# KiCad board amp board.kicad_pcb (continued)
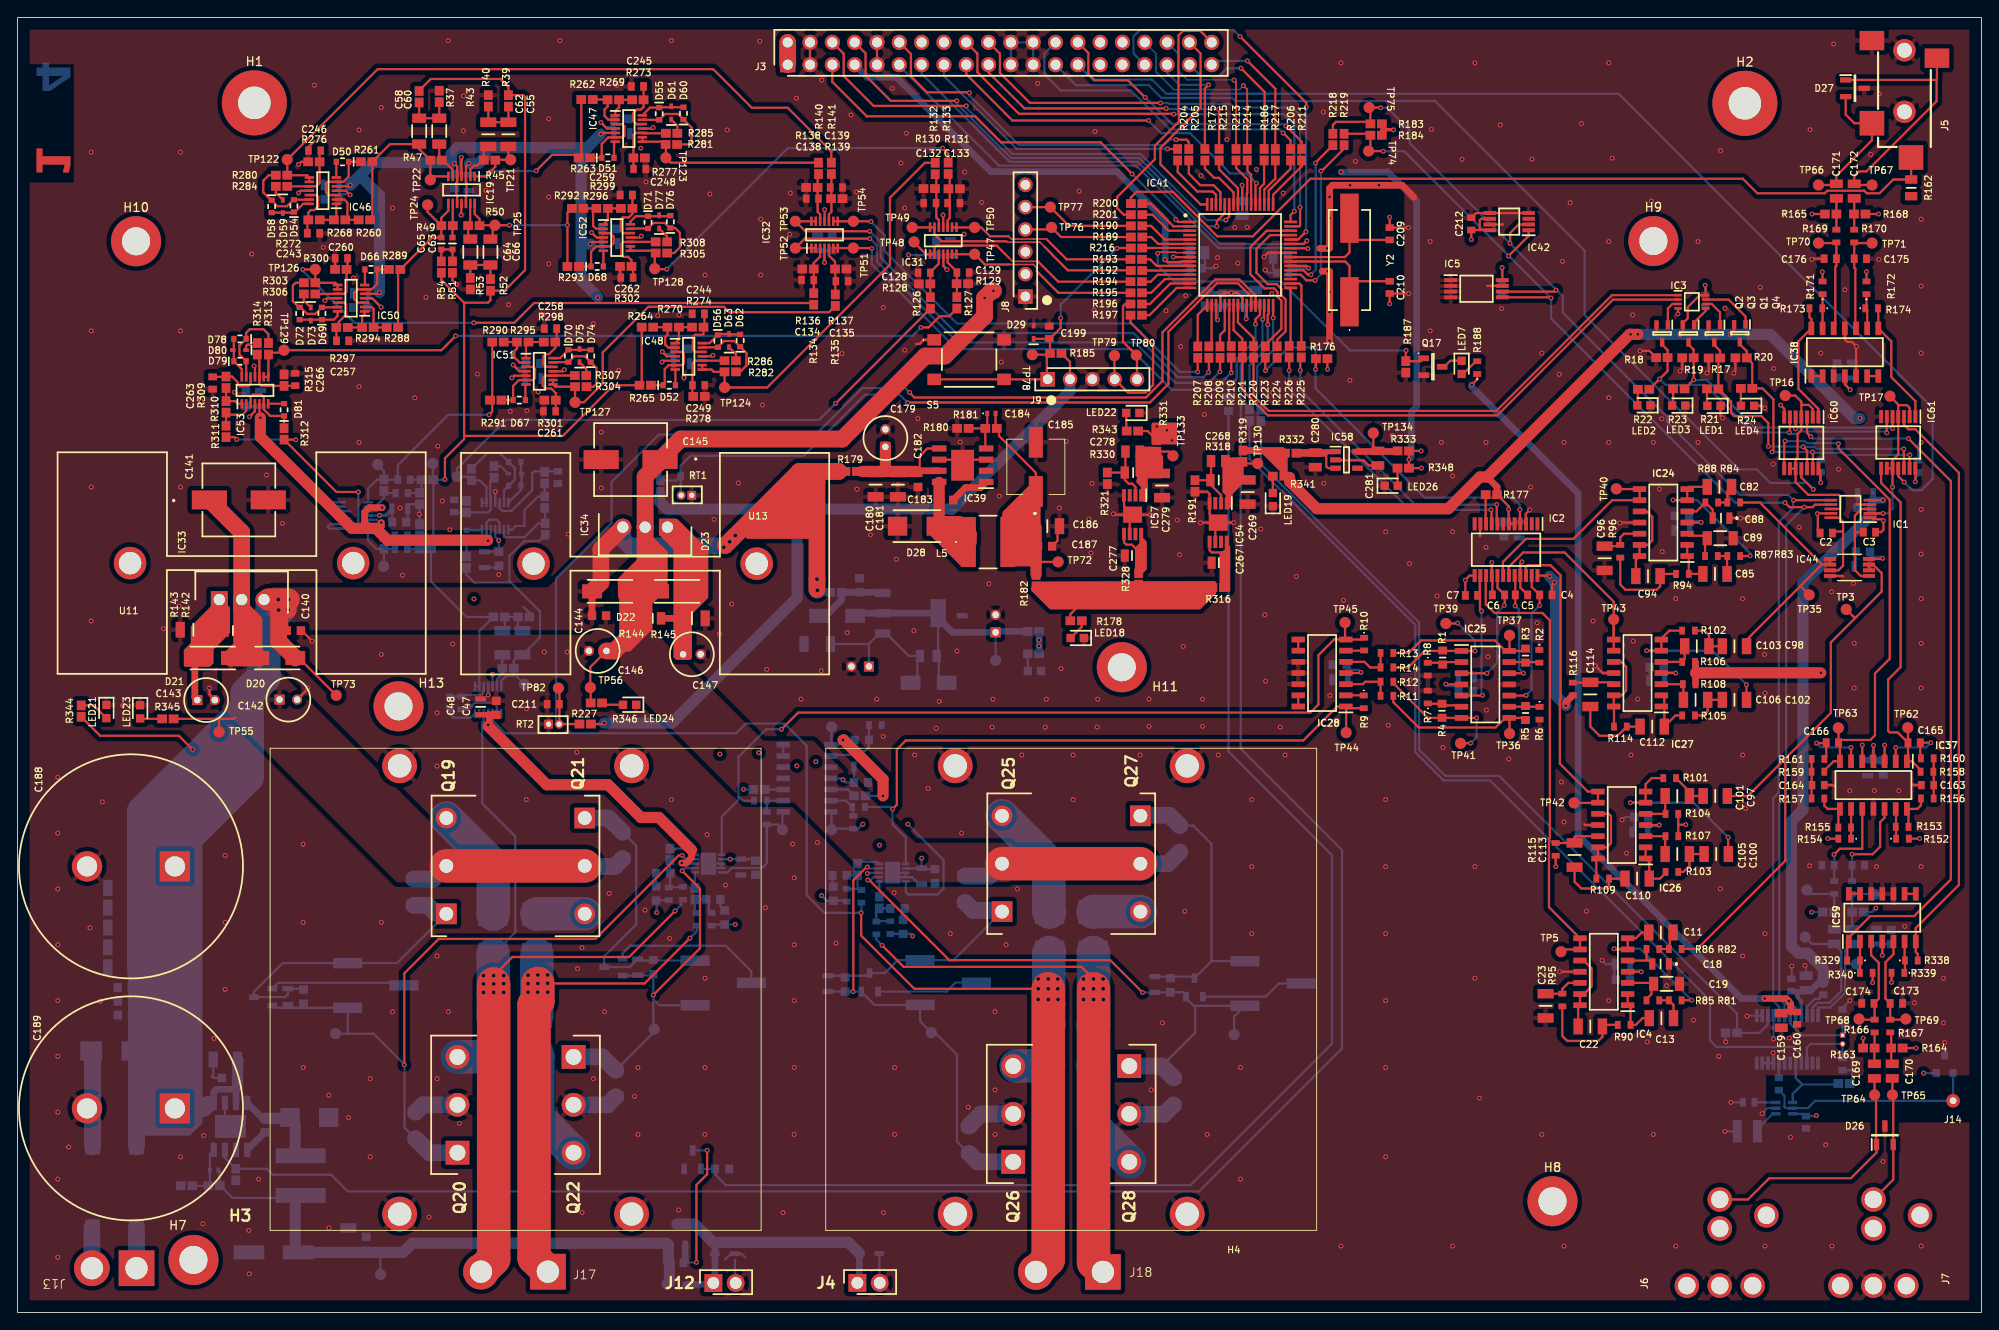
[diagram p0: board, top side]
## Library data of the parts (continued)
R34 = -: Datasheet: http://www.yageo.com/documents/recent/PYu-RC0603_51_RoHS_L_v5.pdf; Height: 0.55; Manufacturer_Name: KEMET; Manufacturer_Part_Number: RC0603FR-07316KL; Mouser Part Number: 603-RC0603FR-07316KL; Mouser Price/Stock: https://www.mouser.co.uk/ProductDetail/Yageo/RC0603FR-07316KL?qs=diQw95jMAePR7yj%2Fp%252BXkqg%3D%3D; Arrow Part Number: RC0603FR-07316KL; Arrow Price/Stock: https://www.arrow.com/en/products/rc0603fr-07316kl/yageo
R35 = -: Datasheet: https://componentsearchengine.com/Datasheets/2/RC0603FR-072KL.pdf; Height: 0.55; Manufacturer_Name: YAGEO; Manufacturer_Part_Number: RC0603FR-072KL; Mouser Part Number: 603-RC0603FR-072KL; Mouser Price/Stock: https://www.mouser.co.uk/ProductDetail/YAGEO/RC0603FR-072KL?qs=diQw95jMAePdEfSTIJQNsQ%3D%3D; Arrow Part Number: RC0603FR-072KL; Arrow Price/Stock: https://www.arrow.com/en/products/rc0603fr-072kl/yageo?region=nac
R36 R45 = -: Datasheet: http://www.yageo.com/documents/recent/PYu-RC0603_51_RoHS_L_v5.pdf; Height: 0.55; Manufacturer_Name: KEMET; Manufacturer_Part_Number: RC0603FR-07160KL; Mouser Part Number: 603-RC0603FR-07160KL; Mouser Price/Stock: https://www.mouser.co.uk/ProductDetail/Yageo/RC0603FR-07160KL?qs=IuGqVx9wL0LI50R5F3KcYw%3D%3D
R37 R49 = -: Datasheet: http://www.yageo.com/documents/recent/PYu-RC0603_51_RoHS_L_v5.pdf; Height: 0.55; Manufacturer_Name: KEMET; Manufacturer_Part_Number: RC0603FR-07102KL; Mouser Part Number: 603-RC0603FR-07102KL; Mouser Price/Stock: https://www.mouser.co.uk/ProductDetail/Yageo/RC0603FR-07102KL?qs=fAXH3HJr0M2oEXLHAIlP7g%3D%3D; Arrow Part Number: RC0603FR-07102KL; Arrow Price/Stock: https://www.arrow.com/en/products/rc0603fr-07102kl/yageo
R38 R52 R146 = -: Datasheet: https://www.yageo.com/upload/media/product/productsearch/datasheet/rchip/PYu-RC_Group_51_RoHS_L_12.pdf; Height: 0.55; Manufacturer_Name: YAGEO; Manufacturer_Part_Number: RC0603FR-07100KL; Mouser Part Number: 603-RC0603FR-07100KL; Mouser Price/Stock: https://www.mouser.co.uk/ProductDetail/YAGEO/RC0603FR-07100KL?qs=e1ok2LiJcmaihem8Va5%2Fsw%3D%3D; Arrow Part Number: RC0603FR-07100KL; Arrow Price/Stock: https://www.arrow.com/en/products/rc0603fr-07100kl/yageo?region=nac
R39 = -: Datasheet: http://www.yageo.com/documents/recent/PYu-RC0603_51_RoHS_L_v5.pdf; Height: 0.55; Manufacturer_Name: KEMET; Manufacturer_Part_Number: RC0603FR-0778K7L; Mouser Part Number: 603-RC0603FR-0778K7L; Mouser Price/Stock: https://www.mouser.com/Search/Refine.aspx?Keyword=603-RC0603FR-0778K7L; Arrow Part Number: RC0603FR-0778K7L; Arrow Price/Stock: https://www.arrow.com/en/products/rc0603fr-0778k7l/yageo
R40 = -: Datasheet: http://www.yageo.com/documents/recent/PYu-RC0603_51_RoHS_L_v5.pdf; Height: 0.55; Manufacturer_Name: KEMET; Manufacturer_Part_Number: RC0603FR-07634RL; Mouser Part Number: 603-RC0603FR-07634RL; Mouser Price/Stock: https://www.mouser.co.uk/ProductDetail/Yageo/RC0603FR-07634RL?qs=2cAdsCoAWREDy1cQlSQJXA%3D%3D
R41 R48 R50 = -: Datasheet: http://www.yageo.com/documents/recent/PYu-RC0603_51_RoHS_L_v5.pdf; Height: 0.55; Manufacturer_Name: KEMET; Manufacturer_Part_Number: RC0603FR-07200KL; Mouser Part Number: 603-RC0603FR-07200KL; Mouser Price/Stock: https://www.mouser.co.uk/ProductDetail/Yageo/RC0603FR-07200KL/?qs=VU8sRB4EgwCnxDNVmDU8zQ%3D%3D; Arrow Part Number: RC0603FR-07200KL; Arrow Price/Stock: https://www.arrow.com/en/products/rc0603fr-07200kl/yageo
R42 = -: Datasheet: http://www.yageo.com/documents/recent/PYu-RC0603_51_RoHS_L_v5.pdf; Height: 0.55; Manufacturer_Name: KEMET; Manufacturer_Part_Number: RC0603FR-07976RL; Mouser Part Number: 603-RC0603FR-07976RL; Mouser Price/Stock: https://www.mouser.co.uk/ProductDetail/YAGEO/RC0603FR-07976RL?qs=2cAdsCoAWRFH11EcDUWKRg%3D%3D; Arrow Part Number: RC0603FR-07976RL; Arrow Price/Stock: https://www.arrow.com/en/products/rc0603fr-07976rl/yageo
R43 = -: Datasheet: http://www.yageo.com/documents/recent/PYu-RC0603_51_RoHS_L_v5.pdf; Height: 0.55; Manufacturer_Name: KEMET; Manufacturer_Part_Number: RC0603FR-07511RL; Mouser Part Number: 603-RC0603FR-07511RL; Mouser Price/Stock: https://www.mouser.com/Search/Refine.aspx?Keyword=603-RC0603FR-07511RL
R44 R53 = -: Datasheet: http://www.yageo.com/documents/recent/PYu-RC0603_51_RoHS_L_v5.pdf; Height: 0.55; Manufacturer_Name: KEMET; Manufacturer_Part_Number: RC0603FR-07499RL; Mouser Part Number: 603-RC0603FR-07499RL; Mouser Price/Stock: https://www.mouser.co.uk/ProductDetail/YAGEO/RC0603FR-07499RL?qs=LKcSmNrnyY5DnGKoN1FFYQ%3D%3D; Arrow Part Number: RC0603FR-07499RL; Arrow Price/Stock: https://www.arrow.com/en/products/rc0603fr-07499rl/yageo?region=europe
R46 = -: Datasheet: https://www.yageo.com/upload/media/product/productsearch/datasheet/rchip/PYu-RC_Group_51_RoHS_L_12.pdf; Height: 0.55; Manufacturer_Name: YAGEO; Manufacturer_Part_Number: RC0603FR-0795K3L; Mouser Part Number: 603-RC0603FR-0795K3L; Mouser Price/Stock: https://www.mouser.co.uk/ProductDetail/YAGEO/RC0603FR-0795K3L?qs=2cAdsCoAWRG6I5c6inbrfQ%3D%3D
R47 = -: Datasheet: http://www.yageo.com/documents/recent/PYu-RC0603_51_RoHS_L_v5.pdf; Height: 0.55; Manufacturer_Name: KEMET; Manufacturer_Part_Number: RC0603FR-07205KL; Mouser Part Number: 603-RC0603FR-07205KL; Mouser Price/Stock: https://www.mouser.com/Search/Refine.aspx?Keyword=603-RC0603FR-07205KL; Arrow Part Number: RC0603FR-07205KL; Arrow Price/Stock: https://www.arrow.com/en/products/rc0603fr-07205kl/yageo
R51 R128-R131 R136-R139 = -: Datasheet: https://www.yageo.com/upload/media/product/productsearch/datasheet/rchip/PYu-RC_Group_51_RoHS_L_12.pdf; Height: 0.55; Manufacturer_Name: YAGEO; Manufacturer_Part_Number: RC0603FR-071KL; Mouser Part Number: 603-RC0603FR-071KL; Mouser Price/Stock: https://www.mouser.co.uk/ProductDetail/YAGEO/RC0603FR-071KL?qs=VU8sRB4EgwApHsk4rF%2F3zg%3D%3D; Arrow Part Number: RC0603FR-071KL; Arrow Price/Stock: https://www.arrow.com/en/products/rc0603fr-071kl/yageo?region=europe
R54 = -: Datasheet: http://www.yageo.com/documents/recent/PYu-RC0603_51_RoHS_L_v5.pdf; Height: 0.55; Manufacturer_Name: KEMET; Manufacturer_Part_Number: RC0603FR-07130KL; Mouser Part Number: 603-RC0603FR-07130KL; Mouser Price/Stock: https://www.mouser.com/Search/ProductDetail.aspx?qs=bK2T7AVO1ycLMsGMEjuXXw%3d%3d
R57 R175 R186 R189 R190 R206 R211 R217-R219 R223-R226 = -: Datasheet: http://www.yageo.com/documents/recent/PYu-RC0603_51_RoHS_L_v5.pdf; Height: 0.55; Manufacturer_Name: KEMET; Manufacturer_Part_Number: RC0603FR-0747RL; Mouser Part Number: 603-RC0603FR-0747RL; Mouser Price/Stock: https://www.mouser.co.uk/ProductDetail/Yageo/RC0603FR-0747RL?qs=gt6vzsuosg01atWshW8qCA%3D%3D; Arrow Part Number: RC0603FR-0747RL; Arrow Price/Stock: http://www.arrow.com/en/products/rc0603fr-0747rl/yageo
R81 R83 = -: Datasheet: https://industrial.panasonic.com/cdbs/www-data/pdf/RDM0000/AOA0000C307.pdf; Description: Metal Film (Thin Film) Chip Resistor 0603 3651; Height: 0.55; Manufacturer_Name: Panasonic; Manufacturer_Part_Number: ERA-3AEB3651V; Mouser Part Number: 667-ERA-3AEB3651V; Mouser Price/Stock: https://www.mouser.com/Search/Refine.aspx?Keyword=667-ERA-3AEB3651V; Arrow Part Number: ERA-3AEB3651V; Arrow Price/Stock: https://www.arrow.com/en/products/era-3aeb3651v/panasonic?utm_currency=USD&region=nac
R82 R84 = -: Datasheet: https://industrial.panasonic.com/cdbs/www-data/pdf/RDM0000/AOA0000C307.pdf; Description: Thin Film Resistors - SMD 0603 5.36Kohm 0.1% 25ppm; Height: 0.55; Manufacturer_Name: Panasonic; Manufacturer_Part_Number: ERA-3AEB5361V; Mouser Part Number: 667-ERA-3AEB5361V; Mouser Price/Stock: https://www.mouser.com/Search/Refine.aspx?Keyword=667-ERA-3AEB5361V; Arrow Part Number: ERA-3AEB5361V; Arrow Price/Stock: https://www.arrow.com/en/products/era-3aeb5361v/panasonic
R85 R87 = -: Datasheet: https://industrial.panasonic.com/cdbs/www-data/pdf/RDM0000/AOA0000C307.pdf; Description: Metal Film (Thin Film) Chip Resistor 0603 6341; Height: 0.55; Manufacturer_Name: Panasonic; Manufacturer_Part_Number: ERA-3AEB6341V; Mouser Part Number: 667-ERA-3AEB6341V; Mouser Price/Stock: https://www.mouser.co.uk/ProductDetail/Panasonic/ERA-3AEB6341V?qs=nuXzIS8loXH9hbg1c1SYUQ%3D%3D; Arrow Part Number: ERA-3AEB6341V; Arrow Price/Stock: https://www.arrow.com/en/products/era-3aeb6341v/panasonic?utm_currency=USD&region=nac
R86 R88 = -: Datasheet: https://industrial.panasonic.com/cdbs/www-data/pdf/RDM0000/AOA0000C307.pdf; Description: Thin Film Resistors - SMD 0603 9.53Kohm 0.1% 25ppm; Height: 0.55; Manufacturer_Name: Panasonic; Manufacturer_Part_Number: ERA-3AEB9531V; Mouser Part Number: 667-ERA-3AEB9531V; Mouser Price/Stock: https://www.mouser.co.uk/ProductDetail/Panasonic/ERA-3AEB9531V?qs=nuXzIS8loXHz%2FxTZIYKo7w%3D%3D; Arrow Part Number: ERA-3AEB9531V; Arrow Price/Stock: https://www.arrow.com/en/products/era-3aeb9531v/panasonic
R90 R94 = -: Datasheet: https://industrial.panasonic.com/cdbs/www-data/pdf/RDM0000/AOA0000C307.pdf; Description: Metal Film (Thin Film) Chip Resistor 0603 2941; Height: 0.55; Manufacturer_Name: Panasonic; Manufacturer_Part_Number: ERA-3AEB2941V
R95 R96 R115 R116 = -: Datasheet: https://industrial.panasonic.com/cdbs/www-data/pdf/RDM0000/AOA0000C307.pdf; Description: Thin Film Resistors - SMD 0603 6.49Kohm 0.1% 25ppm; Height: 0.55; Manufacturer_Name: Panasonic; Manufacturer_Part_Number: ERA-3AEB6491V; Mouser Part Number: 667-ERA-3AEB6491V; Mouser Price/Stock: https://www.mouser.co.uk/ProductDetail/Panasonic/ERA-3AEB6491V?qs=nuXzIS8loXFxZ26VDEo1yw%3D%3D; Arrow Part Number: ERA-3AEB6491V; Arrow Price/Stock: https://www.arrow.com/en/products/era-3aeb6491v/panasonic?region=nac
R101 R102 = -: Datasheet: https://industrial.panasonic.com/cdbs/www-data/pdf/RDM0000/AOA0000C307.pdf; Description: Metal Film (Thin Film) Chip Resistor 0603 3741; Height: 0.55; Manufacturer_Name: Panasonic; Manufacturer_Part_Number: ERA-3AEB3741V; Mouser Part Number: 667-ERA-3AEB3741V; Mouser Price/Stock: https://www.mouser.co.uk/ProductDetail/Panasonic/ERA-3AEB3741V?qs=nuXzIS8loXFRw1spMKYpzg%3D%3D
R103 R105 = -: Datasheet: https://industrial.panasonic.com/cdbs/www-data/pdf/RDM0000/AOA0000C307.pdf; Description: Metal Film (Thin Film) Chip Resistor 0603 5491; Height: 0.55; Manufacturer_Name: Panasonic; Manufacturer_Part_Number: ERA-3AEB5491V
R104 R106 = -: Datasheet: https://industrial.panasonic.com/cdbs/www-data/pdf/RDM0000/AOA0000C307.pdf; Description: Thin Film Resistors - SMD 0603 15.4Kohm 0.1% 25ppm; Height: 0.55; Manufacturer_Name: Panasonic; Manufacturer_Part_Number: ERA-3AEB1542V; Mouser Part Number: 667-ERA-3AEB1542V; Mouser Price/Stock: https://www.mouser.co.uk/ProductDetail/Panasonic/ERA-3AEB1542V?qs=nuXzIS8loXFj8PI%252BHBppHg%3D%3D; Arrow Part Number: ERA-3AEB1542V; Arrow Price/Stock: https://www.arrow.com/en/products/era-3aeb1542v/panasonic
R107 R108 = -: Datasheet: https://industrial.panasonic.com/cdbs/www-data/pdf/RDM0000/AOA0000C307.pdf; Description: Thin Film Resistors - SMD 0603 8.25Kohm 0.1% 25ppm; Height: 0.55; Manufacturer_Name: Panasonic; Manufacturer_Part_Number: ERA-3AEB8251V; Mouser Part Number: 667-ERA-3AEB8251V; Mouser Price/Stock: https://www.mouser.com/Search/Refine.aspx?Keyword=667-ERA-3AEB8251V
R109 R114 = -: Datasheet: https://industrial.panasonic.com/cdbs/www-data/pdf/RDM0000/AOA0000C307.pdf; Description: Metal Thin Film Chip Resistor, 0603, 0.1W; Height: 0.55; Manufacturer_Name: Panasonic; Manufacturer_Part_Number: ERA-3AEB622V; Mouser Part Number: 667-ERA-3AEB622V; Mouser Price/Stock: https://www.mouser.co.uk/ProductDetail/Panasonic/ERA-3AEB622V?qs=m8myXnDJXpUDpCLrz5jrOQ%3D%3D; Arrow Part Number: ERA-3AEB622V; Arrow Price/Stock: https://www.arrow.com/en/products/era3aeb622v/panasonic?region=nac
R119 = -: Datasheet: https://www.mouser.com/datasheet/2/447/PYu-RC_Group_51_RoHS_L_9-1314892.pdf; Height: 0.55; Manufacturer_Name: YAGEO; Manufacturer_Part_Number: RC0603FR-071K1L; Mouser Part Number: 603-RC0603FR-071K1L; Mouser Price/Stock: https://www.mouser.co.uk/ProductDetail/YAGEO/RC0603FR-071K1L?qs=qOORb529CA13A6%252BuNPCZDQ%3D%3D
R120 R181 = -: Datasheet: http://www.yageo.com/documents/recent/PYu-RC0603_51_RoHS_L_v5.pdf; Height: 0.55; Manufacturer_Name: KEMET; Manufacturer_Part_Number: RC0603FR-079K53L; Mouser Part Number: 603-RC0603FR-079K53L; Mouser Price/Stock: https://www.mouser.co.uk/ProductDetail/Yageo/RC0603FR-079K53L?qs=2cAdsCoAWREFD9FeX3CIhg%3D%3D; Arrow Part Number: RC0603FR-079K53L; Arrow Price/Stock: https://www.arrow.com/en/products/rc0603fr-079k53l/yageo
R123 R124 R192-R197 R200 R201 R204 R205 R207-R210 R213-R216 R220 R221 R334-R337 = -: Datasheet: https://componentsearchengine.com/Datasheets/2/RC0603JR-070RL.pdf; Height: 0.55; Manufacturer_Name: YAGEO; Manufacturer_Part_Number: RC0603JR-070RL; Mouser Part Number: 603-RC0603JR-070RL; Mouser Price/Stock: https://www.mouser.co.uk/ProductDetail/YAGEO/RC0603JR-070RL?qs=2cAdsCoAWRGWyPcuXgGiXQ%3D%3D; Arrow Part Number: RC0603JR-070RL; Arrow Price/Stock: https://www.arrow.com/en/products/rc0603jr-070rl/yageo?utm_currency=USD&region=nac
R126 R127 R132-R135 R140 R141 = -: Datasheet: http://www.yageo.com/documents/recent/PYu-RC0603_51_RoHS_L_v5.pdf; Height: 0.55; Manufacturer_Name: KEMET; Manufacturer_Part_Number: RC0603FR-078K06L; Mouser Part Number: 603-RC0603FR-078K06L; Mouser Price/Stock: https://www.mouser.co.uk/ProductDetail/Yageo/RC0603FR-078K06L?qs=2cAdsCoAWREXE%2FuVdbo5eQ%3D%3D; Arrow Part Number: RC0603FR-078K06L; Arrow Price/Stock: https://www.arrow.com/en/products/rc0603fr-078k06l/yageo
R142 R144 R325 = -: Datasheet: http://www.yageo.com/documents/recent/PYu-RC_Group_51_RoHS_L_10.pdf; Height: 0.6; Manufacturer_Name: KEMET; Manufacturer_Part_Number: RC0805FR-07240RL; Mouser Part Number: 603-RC0805FR-07240RL; Mouser Price/Stock: https://www.mouser.com/Search/Refine.aspx?Keyword=603-RC0805FR-07240RL
R143 R145 R326 = -: Datasheet: http://www.vishay.com/docs/20035/dcrcwe3.pdf; Height: 0.6; Manufacturer_Name: Vishay; Manufacturer_Part_Number: CRCW12065K10FKEA; Mouser Part Number: 71-CRCW1206-5.1K-E3; Mouser Price/Stock: https://www.mouser.co.uk/ProductDetail/Vishay-Dale/CRCW12065K10FKEA?qs=%2F2dL3%2Fmkwc4UsDubBvFZrA%3D%3D; Arrow Part Number: CRCW12065K10FKEA; Arrow Price/Stock: https://www.arrow.com/en/products/crcw12065k10fkea/vishay?region=nac
R148 R149 R163-R165 R168 = -: Datasheet: https://componentsearchengine.com/Datasheets/1/RT0603FRD071ML.pdf; Description: Thin Film Resistors - SMD 1M ohm 1% 25 ppm High-Precision; Height: 0.55; Manufacturer_Name: KEMET; Manufacturer_Part_Number: RT0603FRD071ML; Mouser Part Number: 603-RT0603FRD071ML; Mouser Price/Stock: https://www.mouser.co.uk/ProductDetail/Yageo/RT0603FRD071ML/?qs=TyBUSTk9pD%252Bwn0iyfLuUUw%3D%3D
R152 R154 R171-R174 R188 R329 R338-R340 = -: Datasheet: https://industrial.panasonic.com/cdbs/www-data/pdf/RDM0000/AOA0000C307.pdf; Height: 0.55; Manufacturer_Name: Panasonic; Manufacturer_Part_Number: ERA-3AEB202V; Mouser Part Number: 667-ERA-3AEB202V; Mouser Price/Stock: https://www.mouser.co.uk/ProductDetail/Panasonic/ERA-3AEB202V?qs=XhO1W%252B5LdJ9D9%2Fzvy31Isg%3D%3D
R153 R155 = -: Datasheet: https://industrial.panasonic.com/cdbs/www-data/pdf/RDM0000/AOA0000C307.pdf; Description: Thin Film Resistors - SMD 0603 34.8Kohm 0.1% 25ppm; Height: 0.55; Manufacturer_Name: Panasonic; Manufacturer_Part_Number: ERA-3AEB3482V; Mouser Part Number: 667-ERA-3AEB3482V; Mouser Price/Stock: https://www.mouser.com/Search/Refine.aspx?Keyword=667-ERA-3AEB3482V
R156-R159 = -: Datasheet: https://industrial.panasonic.com/cdbs/www-data/pdf/RDM0000/AOA0000C307.pdf; Description: Thin Film Resistors - SMD 0603 2.32Kohm 0.1% 25ppm; Height: 0.55; Manufacturer_Name: Panasonic; Manufacturer_Part_Number: ERA-3AEB2321V; Mouser Part Number: 667-ERA-3AEB2321V; Mouser Price/Stock: http://www.mouser.com/Search/ProductDetail.aspx?qs=nuXzIS8loXHi3P3EqG%2f%2fKg%3d%3d
R160 R161 = -: Datasheet: https://industrial.panasonic.com/cdbs/www-data/pdf/RDM0000/AOA0000C307.pdf; Description: Metal Film (Thin Film) Chip Resistor 0603 1181; Height: 0.55; Manufacturer_Name: Panasonic; Manufacturer_Part_Number: ERA-3AEB1181V; Mouser Part Number: 667-ERA-3AEB1181V; Mouser Price/Stock: https://www.mouser.com/Search/Refine.aspx?Keyword=667-ERA-3AEB1181V
R162 = -: Datasheet: https://4donline.ihs.com/images/VipMasterIC/IC/YAGO/YAGO-S-A0010774850/YAGO-S-A0010774850-1.pdf?hkey=6D3A4C79FDBF58556ACFDE234799DDF0; Height: 0.6; Manufacturer_Name: YAGEO; Manufacturer_Part_Number: RC0805FR-07100KL; Mouser Part Number: 603-RC0805FR-07100KL; Mouser Price/Stock: https://www.mouser.co.uk/ProductDetail/YAGEO/RC0805FR-07100KL?qs=8Y8p%252BasKcI7rEWn6FcVdAA%3D%3D; Arrow Part Number: RC0805FR-07100KL; Arrow Price/Stock: https://www.arrow.com/en/products/rc0805fr-07100kl/yageo?region=europe
R176 R177 R183 R184 R261 R263 R265 R267 R289 R291 R293 R312 = -: Datasheet: http://www.yageo.com/documents/recent/PYu-RC0603_51_RoHS_L_v5.pdf; Height: 0.55; Manufacturer_Name: KEMET; Manufacturer_Part_Number: RC0603FR-075K1L; Mouser Part Number: 603-RC0603FR-075K1L; Mouser Price/Stock: https://www.mouser.co.uk/ProductDetail/YAGEO/RC0603FR-075K1L?qs=gt6vzsuosg2jUUwxnI2PJQ%3D%3D; Arrow Part Number: RC0603FR-075K1L; Arrow Price/Stock: https://www.arrow.com/en/products/rc0603fr-075k1l/yageo?region=nac
R179 R182 R316 R319 R324 R327 R328 R331-R333 = -: Datasheet: https://componentsearchengine.com/Datasheets/2/RC0603JR-070RL.pdf; Description: Yageo 0, 0603 (1608M) Thick Film SMD Resistor - RC0603JR-070RL; Height: 0.55; Manufacturer_Name: YAGEO; Manufacturer_Part_Number: RC0603JR-070RL; Mouser Part Number: 603-RC0603JR-070RL; Mouser Price/Stock: https://www.mouser.co.uk/ProductDetail/YAGEO/RC0603JR-070RL?qs=2cAdsCoAWRGWyPcuXgGiXQ%3D%3D; Arrow Part Number: RC0603JR-070RL; Arrow Price/Stock: https://www.arrow.com/en/products/rc0603jr-070rl/yageo?utm_currency=USD&region=nac
R180 = -: Datasheet: http://www.yageo.com/documents/recent/PYu-RC0603_51_RoHS_L_v5.pdf; Height: 0.55; Manufacturer_Name: KEMET; Manufacturer_Part_Number: RC0603FR-071K69L; Mouser Part Number: 603-RC0603FR-071K69L; Mouser Price/Stock: http://www.mouser.com/Search/ProductDetail.aspx?qs=VU8sRB4EgwCRCEnumkExQg%3d%3d; Arrow Part Number: RC0603FR-071K69L; Arrow Price/Stock: https://www.arrow.com/en/products/rc0603fr-071k69l/yageo
R191 = -: Datasheet: http://www.yageo.com/documents/recent/PYu-RC0603_51_RoHS_L_v5.pdf; Description: RESISTOR, 0603 18.7K Ohms +/-1% 1/10 W; Height: 0.55; Manufacturer_Name: KEMET; Manufacturer_Part_Number: RC0603FR-0718K7L; Mouser Part Number: 603-RC0603FR-0718K7L; Mouser Price/Stock: https://www.mouser.co.uk/ProductDetail/Yageo/RC0603FR-0718K7L/?qs=VU8sRB4EgwDmm%2FENkzwNRg%3D%3D
R228 R233 = -: Datasheet: https://componentsearchengine.com/Datasheets/1/RT0603FRE075K1L.pdf; Height: 0.55; Manufacturer_Name: KEMET; Manufacturer_Part_Number: RT0603FRE075K1L; Mouser Part Number: 603-RT0603FRE075K1L; Mouser Price/Stock: https://www.mouser.co.uk/ProductDetail/Yageo/RT0603FRE075K1L?qs=%2Ff7pOCXLR5fgj2e0mAPqWQ%3D%3D
R234 R235 R242 R243 R248 R249 R254 R255 = -: Datasheet: https://industrial.panasonic.com/cdbs/www-data/pdf/RDM0000/AOA0000C307.pdf; Height: 0.7; Manufacturer_Name: Panasonic; Manufacturer_Part_Number: ERA-8APB2101V
R238-R241 R250-R253 = -: Datasheet: https://www.te.com/commerce/DocumentDelivery/DDEController?Action=showdoc&DocId=Customer+Drawing%7F2176058%7FBA%7Fpdf%7FEnglish%7FENG_CD_2176058_BA.pdf%7F3-2176058-3; Height: 0.84; Manufacturer_Name: TE Connectivity; Manufacturer_Part_Number: RLP73K3AR22JTE; Arrow Part Number: RLP73K3AR22JTE; Arrow Price/Stock: https://www.arrow.com/en/products/rlp73k3ar22jte/te-connectivity
R276-R279 R300-R302 R315 = -: Datasheet: http://www.yageo.com/documents/recent/PYu-RC0603_51_RoHS_L_v5.pdf; Height: 0.55; Manufacturer_Name: KEMET; Manufacturer_Part_Number: RC0603FR-071ML; Mouser Part Number: 603-RC0603FR-071ML; Mouser Price/Stock: https://www.mouser.co.uk/ProductDetail/YAGEO/RC0603FR-071ML?qs=VU8sRB4EgwDPceeQKB324w%3D%3D; Arrow Part Number: RC0603FR-071ML; Arrow Price/Stock: https://www.arrow.com/en/products/rc0603fr-071ml/yageo?region=europe
R284-R287 R306-R308 R314 = -: Datasheet: https://www.arrow.com/en/products/rc0603fr-07100rl/yageo?region=nac; Height: 0.55; Manufacturer_Name: YAGEO; Manufacturer_Part_Number: RC0603FR-07100RL; Mouser Part Number: 603-RC0603FR-07100RL; Mouser Price/Stock: https://www.mouser.co.uk/ProductDetail/YAGEO/RC0603FR-07100RL?qs=NEN%2FsE%2FLsvPIwIWKCOS4%2FA%3D%3D; Arrow Part Number: RC0603FR-07100RL; Arrow Price/Stock: https://www.arrow.com/en/products/rc0603fr-07100rl/yageo?region=nac
R318 R330 = -: Datasheet: http://www.yageo.com/documents/recent/PYu-RC_Group_51_RoHS_L_10.pdf; Height: 0.6; Manufacturer_Name: KEMET; Manufacturer_Part_Number: RC0805FR-07270KL; Mouser Part Number: 603-RC0805FR-07270KL; Mouser Price/Stock: https://www.mouser.co.uk/ProductDetail/YAGEO/RC0805FR-07270KL?qs=fRxXYNj8ftHTOCejWiG5jQ%3D%3D
R321 R344-R347 = -: Datasheet: http://www.yageo.com/documents/recent/PYu-RC0603_51_RoHS_L_v5.pdf; Description: Thick Film Resistors 32.4K OHM 1%; Height: 0.55; Manufacturer_Name: KEMET; Manufacturer_Part_Number: RC0603FR-0732K4L; Mouser Part Number: 603-RC0603FR-0732K4L; Mouser Price/Stock: https://www.mouser.com/Search/Refine.aspx?Keyword=603-RC0603FR-0732K4L
R343 R348 = -: Datasheet: https://www.yageo.com/upload/media/product/productsearch/datasheet/rchip/PYu-RC_Group_51_RoHS_L_12.pdf; Description: Res Thick Film 0603 1K Ohm 1% 0.1W(1/10W) +/-100ppm/C Epoxy Pad SMD T/R; Height: 0.55; Manufacturer_Name: YAGEO; Manufacturer_Part_Number: RC0603FR-071KL; Mouser Part Number: 603-RC0603FR-071KL; Mouser Price/Stock: https://www.mouser.co.uk/ProductDetail/YAGEO/RC0603FR-071KL?qs=VU8sRB4EgwApHsk4rF%2F3zg%3D%3D; Arrow Part Number: RC0603FR-071KL; Arrow Price/Stock: https://www.arrow.com/en/products/rc0603fr-071kl/yageo?region=europe
RT1 RT2 = -: Datasheet: https://www.vishay.com/docs/29094/ntcalug02a.pdf; Height: 4.5; Manufacturer_Name: Vishay; Mouser Part Number: 594-NTCALUG02A103G; Mouser Price/Stock: https://www.mouser.com/Search/Refine.aspx?Keyword=594-NTCALUG02A103G; Arrow Price/Stock: https://www.arrow.com/en/products/ntcalug02a103g/vishay
S5 = -: Datasheet: https://www.ctscorp.com/wp-content/uploads/222A.pdf; Height: 5.2; Manufacturer_Name: CTS; Mouser Part Number: 774-222AMVBAR; Mouser Price/Stock: https://www.mouser.co.uk/ProductDetail/CTS-Electronic-Components/222AMVBAR?qs=%252BiOMRfgENTH99oc01%252BgePw%3D%3D; Arrow Price/Stock: https://www.arrow.com/en/products/222amvbar/cts
U11 U13 = -: Datasheet: https://datasheet.datasheetarchive.com/originals/distributors/Datasheets-DGA11/2294712.pdf; Description: AAVID THERMALLOY - 530002B02500G - HEAT SINK, 2.6K/W, TO-220; Manufacturer_Name: Aavid Thermalloy; Mouser Part Number: 532-530002B02500G; Mouser Price/Stock: https://www.mouser.co.uk/ProductDetail/Aavid/530002B02500G?qs=U7T%2FEnMyvTvnsUSILY5qjg%3D%3D; Arrow Price/Stock: https://www.arrow.com/en/products/530002b02500g/aavid-thermalloy
U14 U15 = -: Datasheet: http://www.ti.com/lit/gpn/opa1622; Height: 1; Manufacturer_Name: Texas Instruments; Mouser Part Number: 595-OPA1622IDRCR; Mouser Price/Stock: https://www.mouser.co.uk/ProductDetail/Texas-Instruments/OPA1622IDRCR?qs=8%2FmU9qzJpL8wd%252BNGqblyNw%3D%3D; Arrow Price/Stock: null?region=nac
VR3-VR6 = -: Datasheet: https://componentsearchengine.com/Datasheets/1/3361P-1-202GLF.pdf; Description: Res Cermet Trimmer 2K Ohm 10% 0.5W(1/2W) 1(Elec)/1(Mech)Turns 2.77mm (6.71 X 8.53 X 5.21mm) Gull Wing SMD T/R; Height: 5.21; Manufacturer_Name: Bourns; Mouser Part Number: 652-3361P-1-202GLF; Mouser Price/Stock: https://www.mouser.co.uk/ProductDetail/Bourns/3361P-1-202GLF?qs=fqIB%2FsSTfTYJe%2Fe5FOkYjw%3D%3D; Arrow Price/Stock: https://www.arrow.com/en/products/3361p-1-202glf/bourns?region=nac
Y1 = -: Datasheet: https://raltron.com/webproducts/specs/CRYSTAL/R26-32.768-12.5.pdf; Height: 6.2; Manufacturer_Name: RALTRON; Arrow Price/Stock: https://www.arrow.com/en/products/r26-32.768-12.5/raltron-electronics
Y2 = -: Datasheet: https://abracon.com/Resonators/abls.pdf; Description: HC/49US (AT49) LOW PROFILE SURFACE MOUNT MICROPROCESSOR CRYSTAL; Manufacturer_Name: ABRACON; Mouser Part Number: 815-ABLS2-32-D4YF-T; Mouser Price/Stock: https://www.mouser.com/Search/Refine.aspx?Keyword=815-ABLS2-32-D4YF-T; Arrow Price/Stock: https://www.arrow.com/en/products/abls2-32.000mhz-d4yf-t/abracon

## Footprints (pads in the part's own frame, mm; a bottom-side part is the same pattern mirrored in y, then rotated)
1N4148WT7
  rect 0.6x0.7 smd: 1(-0.7,0) 2(0.7,0)
222AMVBAR
  rect 1.55x1.3 smd: 1(-3.975,2.25) 2(-3.975,-2.25) 3(3.975,2.25) 4(3.975,-2.25)
3361P1202GLF
  rect 1.19x3.3 smd: 1(-2.54,-3.2) 2(0,3.2) 3(2.54,-3.2)
529802B02500G
  round 3.7 hole 2.56: 1(-12.7,0) 2(12.7,0)
865080343009
  rect 3.5x1.6 smd: 1(-1.675,0) 2(3.925,0)
ABLS
  rect 5.6x2.1 smd: 1(-4.75,0) 2(4.75,0)
ant hole
  round 1.524 hole 0.762: 1(0,0)
ASPI-6045S
  rect 1.7x5.7 smd: 1(-2.25,0) 2(2.25,0)
